# KiCad board k410t-devboard.kicad_pcb (continued)
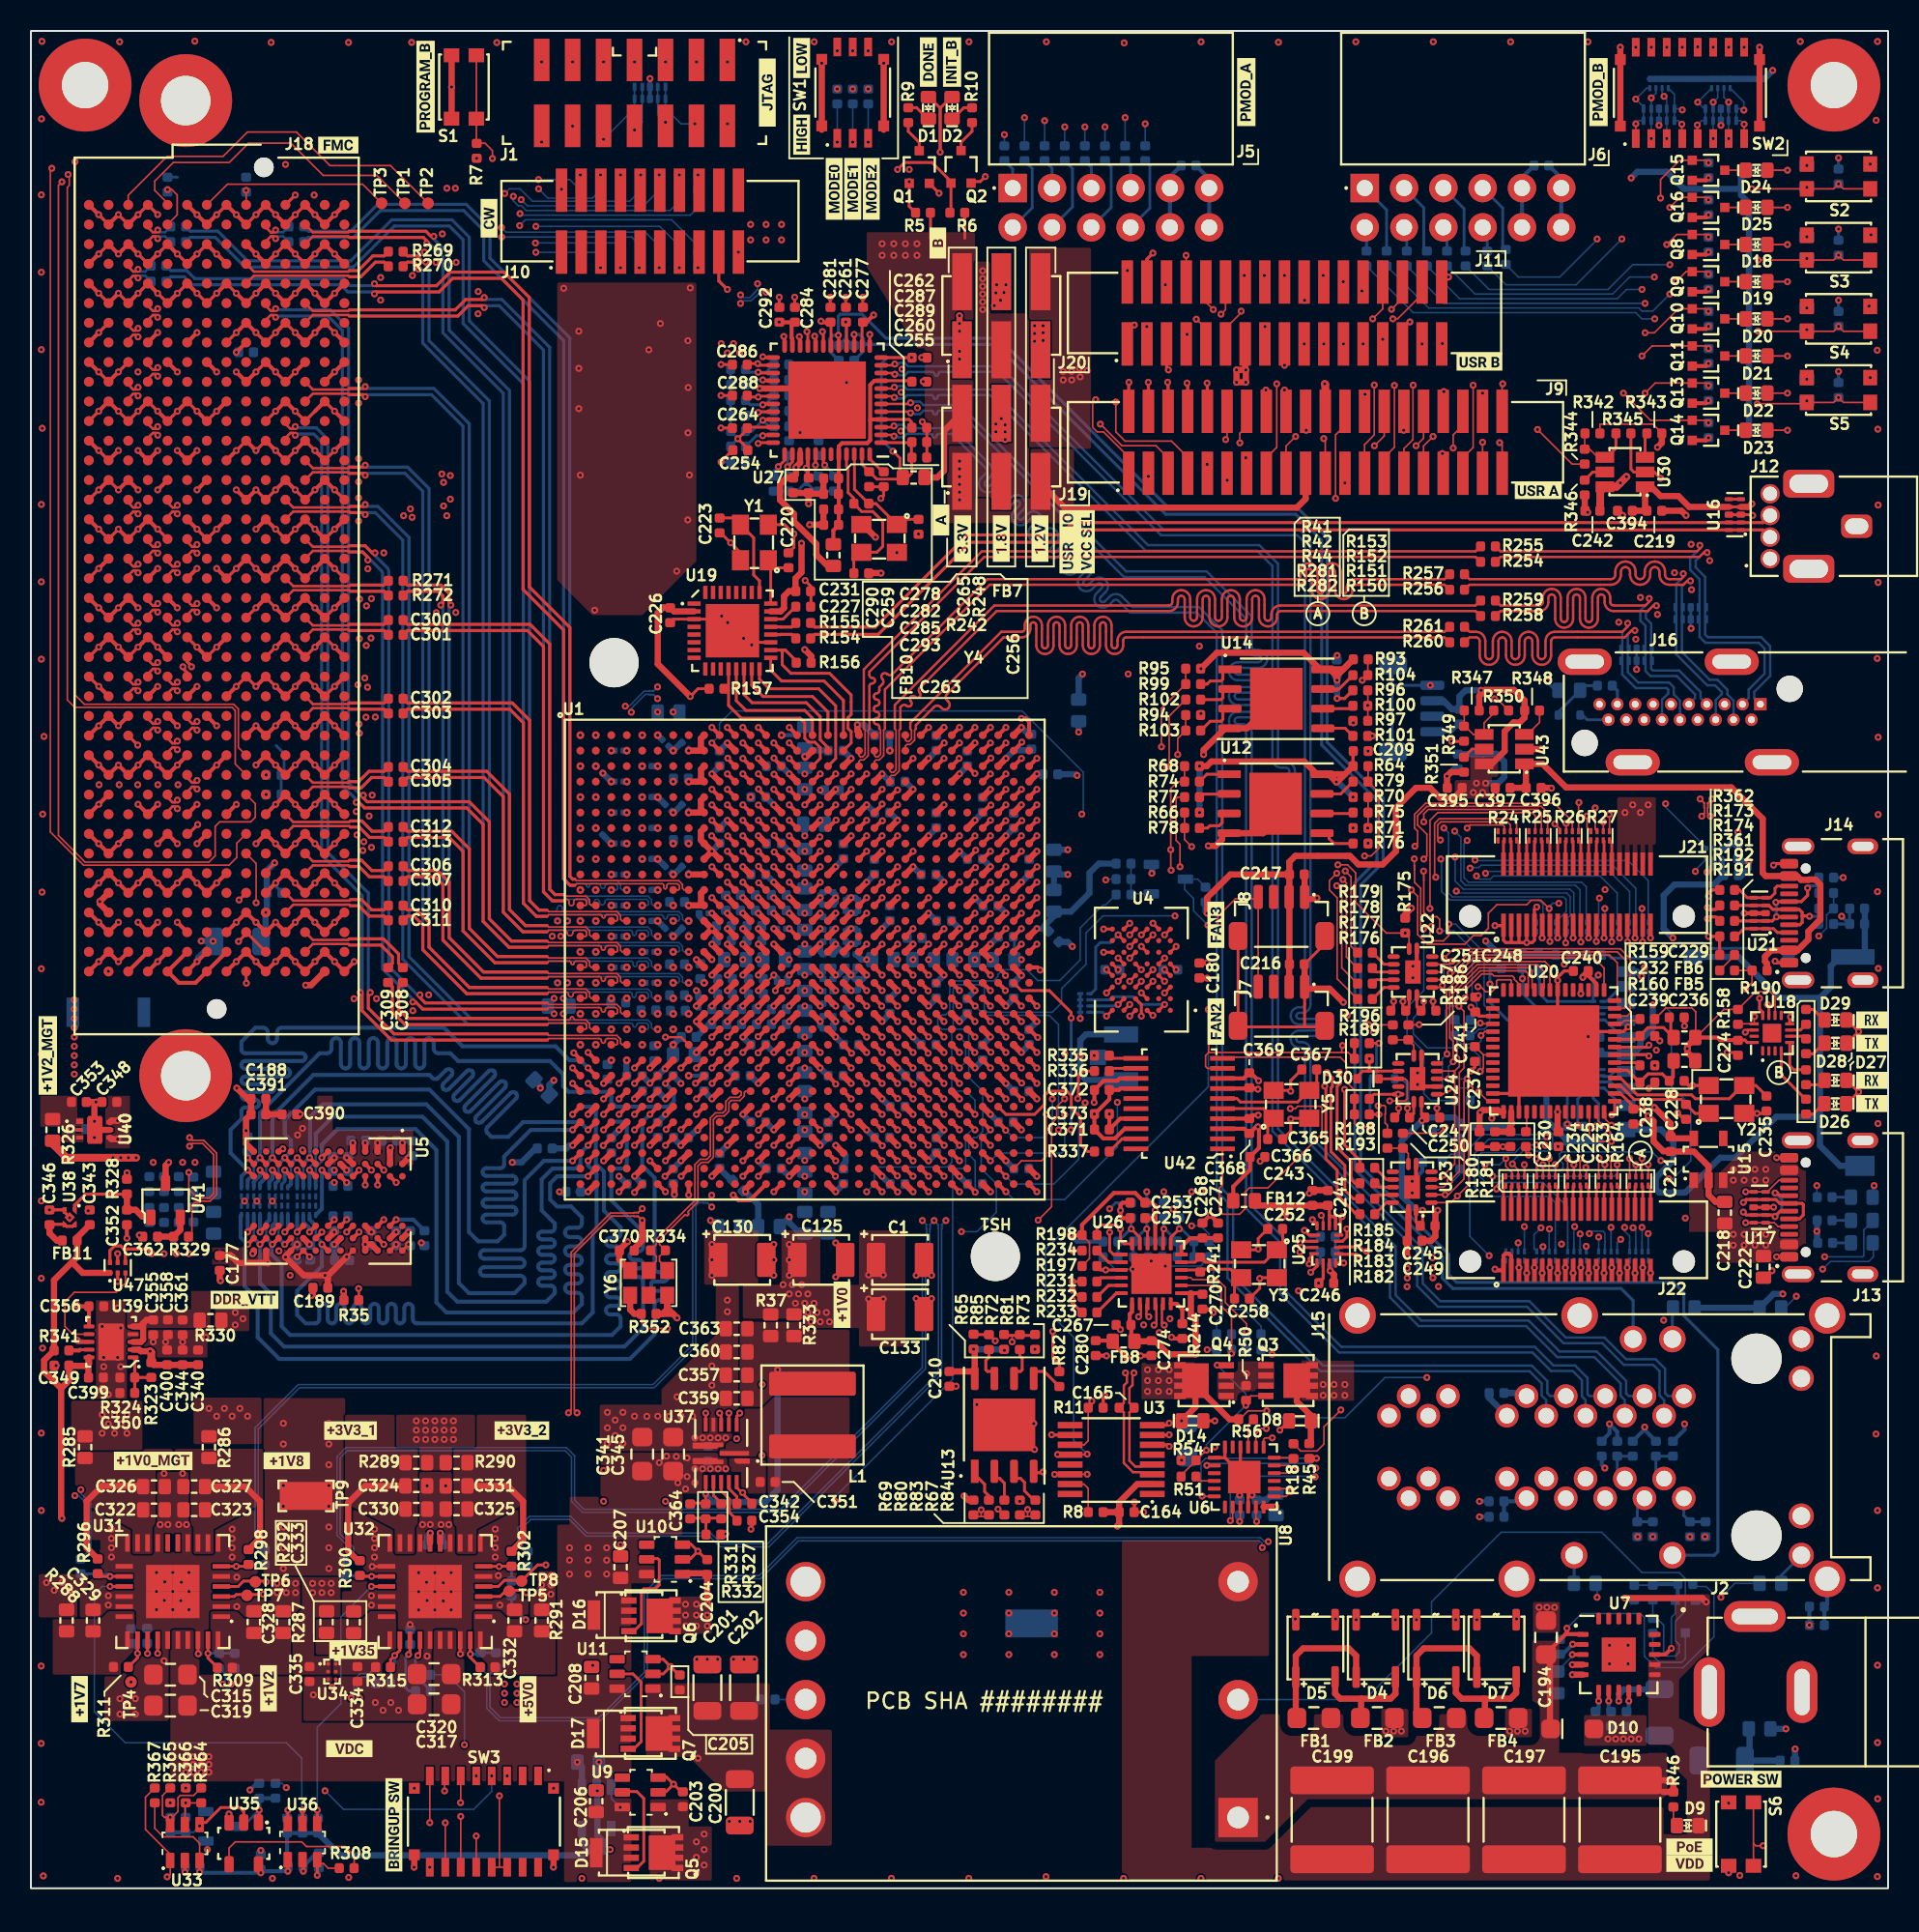
[diagram p0: board, top side]
## Routing (per net, layer and track width the routed paths; a pad name or vN(x,y) marks a point on that pad's centre or on a via; arc(x,y) is an arc through that point) (continued)
  In5.Cu w0.114: v1(21.67,80.29) 21.43,80.29 21.15,80.02 21.15,79.8 23.48,77.47 23.48,69.47 23.81,69.14 24.16,69.14 arc(24.49,69.01) 24.63,68.67 24.63,68 arc(24.68,67.87) 24.81,67.82 arc(24.93,67.87) 24.99,68 24.99,68.67 arc(25.13,69.01) 25.46,69.14 arc(25.79,69.01) 25.93,68.67 25.93,68 arc(25.98,67.87) 26.11,67.82 arc(26.23,67.87) 26.29,68 26.29,68.67 arc(26.43,69.01) 26.76,69.14 arc(27.09,69.01) 27.23,68.67 27.23,68 arc(27.28,67.87) 27.41,67.82 arc(27.53,67.87) 27.59,68 27.59,68.67 arc(27.73,69.01) 28.06,69.14 arc(28.39,69.01) 28.53,68.67 28.53,68 arc(28.58,67.87) 28.71,67.82 arc(28.83,67.87) 28.89,68 28.89,68.67 arc(29.03,69.01) 29.36,69.14 arc(29.69,69.01) 29.83,68.67 29.83,68 arc(29.88,67.87) 30.01,67.82 arc(30.13,67.87) 30.19,68 30.19,68.67 arc(30.33,69.01) 30.66,69.14 arc(30.99,69.01) 31.13,68.67 31.13,68 arc(31.18,67.87) 31.31,67.82 arc(31.43,67.87) 31.49,68 31.49,68.67 arc(31.63,69.01) 31.96,69.14 arc(32.29,69.01) 32.43,68.67 32.43,68 arc(32.48,67.87) 32.61,67.82 arc(32.73,67.87) 32.79,68 32.79,68.67 arc(32.93,69.01) 33.26,69.14 33.41,69.14
/FMC+ HSPC/FMC.IO11_P: length 69.8
  Top w0.16: v1(6.92,81.74) 6.78,81.59 6.61,81.59 6.29,81.91 J18.K22
  Top w0.256: U1.H14 48.03,67.97 v1(48.03,68.03)
  In3.Cu w0.114: v1(6.92,81.74) 7.05,81.6 8.28,81.6 9.27,80.61 9.79,80.61 10.15,80.97 19.9,80.97 20.63,80.24 20.97,80.24 21.22,80.5 v1(21.22,80.74)
  In5.Cu w0.1: 48,68 47.6,68.4 43.61,68.4 43.11,68.9 33.45,68.9 33.41,68.86
  In5.Cu w0.114: 33.41,68.86 33.26,68.86 arc(33.13,68.8) 33.08,68.67 33.08,68 arc(32.94,67.67) 32.61,67.53 arc(32.28,67.67) 32.14,68 32.14,68.67 arc(32.08,68.8) 31.96,68.86 arc(31.83,68.8) 31.78,68.67 31.78,68 arc(31.64,67.67) 31.31,67.53 arc(30.98,67.67) 30.84,68 30.84,68.67 arc(30.78,68.8) 30.66,68.86 arc(30.53,68.8) 30.48,68.67 30.48,68 arc(30.34,67.67) 30.01,67.53 arc(29.68,67.67) 29.54,68 29.54,68.67 arc(29.48,68.8) 29.36,68.86 arc(29.23,68.8) 29.18,68.67 29.18,68 arc(29.04,67.67) 28.71,67.53 arc(28.38,67.67) 28.24,68 28.24,68.67 arc(28.18,68.8) 28.06,68.86 arc(27.93,68.8) 27.88,68.67 27.88,68 arc(27.74,67.67) 27.41,67.53 arc(27.08,67.67) 26.94,68 26.94,68.67 arc(26.88,68.8) 26.76,68.86 arc(26.63,68.8) 26.58,68.67 26.58,68 arc(26.44,67.67) 26.11,67.53 arc(25.78,67.67) 25.64,68 25.64,68.67 arc(25.58,68.8) 25.46,68.86 arc(25.33,68.8) 25.28,68.67 25.28,68 arc(25.14,67.67) 24.81,67.53 arc(24.48,67.67) 24.34,68 24.34,68.67 arc(24.28,68.8) 24.16,68.86 23.69,68.86 23.2,69.35 23.2,77.35 20.87,79.68 20.87,80.14 21.22,80.5 v1(21.22,80.74)
/FMC+ HSPC/FMC.IO12_N: length 69.6
  Top w0.16: v1(8.19,82.45) 8.05,82.6 7.88,82.6 7.56,82.28 7.56,82.09
  Top w0.256: v1(47,69.99) 47.01,69.99 U1.F13
  In3.Cu w0.114: v1(21.68,82.85) 21.44,82.85 20.54,81.96 13.51,81.96 11.91,83.56 10.23,83.56 arc(10.15,83.53) 10.12,83.45 10.12,83.42 arc(10.09,83.35) 10.01,83.31 arc(9.94,83.35) 9.91,83.42 9.91,83.45 arc(9.87,83.53) 9.8,83.56 9.66,83.56 8.69,82.59 8.32,82.59 v1(8.19,82.45)
  In5.Cu w0.1: 47,70 46.6,69.6 43.67,69.6 43.17,70.1 33.45,70.1 33.41,70.14
  In5.Cu w0.114: 33.41,70.14 24.75,70.14 24.42,70.48 24.42,70.98 arc(24.47,71.11) 24.6,71.16 25.53,71.16 arc(25.86,71.3) 25.99,71.63 arc(25.86,71.96) 25.53,72.1 24.6,72.1 arc(24.47,72.15) 24.42,72.28 arc(24.47,72.41) 24.6,72.46 25.53,72.46 arc(25.86,72.6) 25.99,72.93 arc(25.86,73.26) 25.53,73.4 24.6,73.4 arc(24.47,73.45) 24.42,73.58 arc(24.47,73.71) 24.6,73.76 25.53,73.76 arc(25.86,73.9) 25.99,74.23 arc(25.86,74.56) 25.53,74.7 24.6,74.7 arc(24.47,74.75) 24.42,74.88 arc(24.47,75.01) 24.6,75.06 25.53,75.06 arc(25.86,75.2) 25.99,75.53 arc(25.86,75.86) 25.53,76 24.6,76 arc(24.47,76.05) 24.42,76.18 arc(24.47,76.31) 24.6,76.36 25.53,76.36 arc(25.86,76.5) 25.99,76.83 arc(25.86,77.16) 25.53,77.3 24.6,77.3 arc(24.47,77.35) 24.42,77.48 arc(24.47,77.61) 24.6,77.66 25.53,77.66 arc(25.86,77.8) 25.99,78.13 arc(25.86,78.46) 25.53,78.6 24.6,78.6 arc(24.47,78.65) 24.42,78.78 24.42,79.33 21.28,82.47 21.28,82.7 21.44,82.85 v1(21.68,82.85)
/FMC+ HSPC/FMC.IO12_P: length 69.8
  Top w0.16: v1(8.19,83.01) 8.05,82.86 7.88,82.86 7.56,83.18 7.56,83.36
  Top w0.256: U1.G13 v1(47,69)
  In3.Cu w0.114: v1(8.19,83.01) 8.32,82.87 8.57,82.87 9.54,83.84 12.02,83.84 13.62,82.24 20.43,82.24 21.24,83.06 v1(21.24,83.3)
  In5.Cu w0.1: 33.41,69.86 33.45,69.9 43.08,69.9 43.58,69.4 46.6,69.4 v1(47,69)
  In5.Cu w0.114: 33.41,69.86 24.64,69.86 24.13,70.36 24.13,70.98 arc(24.27,71.31) 24.6,71.45 25.53,71.45 arc(25.65,71.5) 25.71,71.63 arc(25.65,71.76) 25.53,71.81 24.6,71.81 arc(24.27,71.95) 24.13,72.28 arc(24.27,72.61) 24.6,72.75 25.53,72.75 arc(25.65,72.8) 25.71,72.93 arc(25.65,73.06) 25.53,73.11 24.6,73.11 arc(24.27,73.25) 24.13,73.58 arc(24.27,73.91) 24.6,74.05 25.53,74.05 arc(25.65,74.1) 25.71,74.23 arc(25.65,74.36) 25.53,74.41 24.6,74.41 arc(24.27,74.55) 24.13,74.88 arc(24.27,75.21) 24.6,75.35 25.53,75.35 arc(25.65,75.4) 25.71,75.53 arc(25.65,75.66) 25.53,75.71 24.6,75.71 arc(24.27,75.85) 24.13,76.18 arc(24.27,76.51) 24.6,76.65 25.53,76.65 arc(25.65,76.7) 25.71,76.83 arc(25.65,76.96) 25.53,77.01 24.6,77.01 arc(24.27,77.15) 24.13,77.48 arc(24.27,77.81) 24.6,77.95 25.53,77.95 arc(25.65,78) 25.71,78.13 arc(25.65,78.26) 25.53,78.31 24.6,78.31 arc(24.27,78.45) 24.13,78.78 24.13,79.22 21,82.35 21,82.81 21.24,83.06 v1(21.24,83.3)
/FMC+ HSPC/FMC.IO13_N: length 95.6
  Top w0.16: v1(6.92,84.99) 6.78,85.14 6.61,85.14 6.29,84.82 6.29,84.63
  Top w0.256: U1.D13 v1(47,72)
  In7.Cu w0.1: v1(47,72) 46.6,72.4 46.6,73.25 46.25,73.6 45.81,73.6 45.6,73.81 45.6,76.55 45.64,76.59
  In7.Cu w0.114: 45.64,76.59 45.64,77.33 24.23,98.74 20.25,98.74 arc(20.14,98.79) 20.09,98.9 20.09,99.04 arc(19.96,99.36) 19.65,99.49 19.6,99.49 arc(19.29,99.36) 19.16,99.04 19.16,98.9 arc(19.11,98.79) 19,98.74 18.95,98.74 arc(18.84,98.79) 18.79,98.9 18.79,99.04 arc(18.66,99.36) 18.35,99.49 18.3,99.49 arc(17.99,99.36) 17.86,99.04 17.86,98.9 arc(17.81,98.79) 17.7,98.74 17.65,98.74 arc(17.54,98.79) 17.49,98.9 17.49,99.04 arc(17.36,99.36) 17.05,99.49 17,99.49 arc(16.69,99.36) 16.56,99.04 16.56,98.9 arc(16.51,98.79) 16.4,98.74 16.35,98.74 arc(16.24,98.79) 16.19,98.9 16.19,99.04 arc(16.06,99.36) 15.75,99.49 15.7,99.49 arc(15.39,99.36) 15.26,99.04 15.26,98.9 arc(15.21,98.79) 15.1,98.74 15.05,98.74 arc(14.94,98.79) 14.89,98.9 14.89,99.04 arc(14.76,99.36) 14.45,99.49 14.4,99.49 arc(14.09,99.36) 13.96,99.04 13.96,98.9 arc(13.91,98.79) 13.8,98.74 8.81,98.74 8.48,99.07 5.47,99.07 4.87,98.47 4.87,97.64 arc(5.02,97.27) 5.39,97.12 5.78,97.12 arc(5.95,97.05) 6.02,96.89 arc(5.95,96.72) 5.78,96.65 5.39,96.65 arc(5.02,96.5) 4.87,96.14 4.87,95.08 arc(5.05,94.66) 5.47,94.48 7.06,94.48 arc(7.28,94.39) 7.37,94.18 arc(7.28,93.96) 7.06,93.87 5.47,93.87 arc(5.05,93.7) 4.87,93.28 4.87,92.36 arc(5.02,92.02) 5.37,91.87 10.08,91.87 arc(10.22,91.81) 10.28,91.66 arc(10.22,91.52) 10.08,91.46 5.37,91.46 arc(5.02,91.31) 4.87,90.96 4.87,89.78 arc(5.02,89.43) 5.37,89.29 5.81,89.29 arc(5.95,89.23) 6.02,89.08 arc(5.95,88.93) 5.81,88.87 5.37,88.87 arc(5.02,88.73) 4.87,88.38 4.87,85.9 5.65,85.13 6.79,85.13 v1(6.92,84.99)
/FMC+ HSPC/FMC.IO13_P: length 95.6
  Top w0.16: v1(6.92,85.55) 6.78,85.4 6.61,85.4 6.29,85.72 J18.K19
  Top w0.256: U1.D12 v1(46,72)
  In7.Cu w0.1: v1(46,72) 46.4,72.4 46.4,73.17 46.17,73.4 45.73,73.4 45.4,73.73 45.4,76.55 45.36,76.59
  In7.Cu w0.114: v1(6.92,85.55) 6.79,85.41 5.76,85.41 5.16,86.02 5.16,86.3 arc(5.25,86.51) 5.46,86.6 5.86,86.6 arc(6.07,86.69) 6.16,86.9 arc(6.07,87.11) 5.86,87.2 5.46,87.2 arc(5.25,87.29) 5.16,87.5 5.16,88.38 arc(5.22,88.53) 5.37,88.59 5.81,88.59 arc(6.16,88.73) 6.3,89.08 arc(6.16,89.43) 5.81,89.57 5.37,89.57 arc(5.22,89.63) 5.16,89.78 5.16,90.96 arc(5.22,91.11) 5.37,91.17 10.08,91.17 arc(10.43,91.32) 10.57,91.66 arc(10.43,92.01) 10.08,92.16 5.37,92.16 arc(5.22,92.22) 5.16,92.36 5.16,93.28 arc(5.25,93.49) 5.47,93.58 7.06,93.58 arc(7.48,93.76) 7.65,94.18 arc(7.48,94.6) 7.06,94.77 5.47,94.77 arc(5.25,94.86) 5.16,95.08 5.16,96.14 arc(5.23,96.3) 5.39,96.37 5.78,96.37 arc(6.15,96.52) 6.3,96.89 arc(6.15,97.25) 5.78,97.4 5.39,97.4 arc(5.23,97.47) 5.16,97.64 5.16,98.36 5.59,98.79 8.36,98.79 8.69,98.46 13.8,98.46 arc(14.11,98.59) 14.24,98.9 14.24,99.04 arc(14.29,99.15) 14.4,99.2 14.45,99.2 arc(14.56,99.15) 14.61,99.04 14.61,98.9 arc(14.74,98.59) 15.05,98.46 15.1,98.46 arc(15.41,98.59) 15.54,98.9 15.54,99.04 arc(15.59,99.15) 15.7,99.2 15.75,99.2 arc(15.86,99.15) 15.91,99.04 15.91,98.9 arc(16.04,98.59) 16.35,98.46 16.4,98.46 arc(16.71,98.59) 16.84,98.9 16.84,99.04 arc(16.89,99.15) 17,99.2 17.05,99.2 arc(17.16,99.15) 17.21,99.04 17.21,98.9 arc(17.34,98.59) 17.65,98.46 17.7,98.46 arc(18.01,98.59) 18.14,98.9 18.14,99.04 arc(18.19,99.15) 18.3,99.2 18.35,99.2 arc(18.46,99.15) 18.51,99.04 18.51,98.9 arc(18.64,98.59) 18.95,98.46 19,98.46 arc(19.31,98.59) 19.44,98.9 19.44,99.04 arc(19.49,99.15) 19.6,99.2 19.65,99.2 arc(19.76,99.15) 19.81,99.04 19.81,98.9 arc(19.94,98.59) 20.25,98.46 24.11,98.46 45.36,77.21 45.36,76.59
/FMC+ HSPC/FMC.IO14_N: length 66.5
  Top w0.16: 7.56,78.28 7.56,78.47 7.88,78.79 8.05,78.79 v1(8.19,78.64)
  Top w0.256: v1(47.01,71.02) 47.01,70.99 U1.E13
  In3.Cu w0.114: v1(8.19,78.64) 8.32,78.78 8.91,78.78 9.54,79.41 19.72,79.41 21.13,77.99 v1(21.13,77.75)
  In5.Cu w0.1: 47,71 46.14,71 45.54,71.6 43.53,71.6 43.03,71.1 33.45,71.1 33.41,71.14
  In5.Cu w0.114: 33.41,71.14 27.76,71.14 26.84,72.06 26.84,73.24 arc(26.9,73.39) 27.05,73.45 27.47,73.45 arc(27.82,73.59) 27.96,73.94 arc(27.82,74.29) 27.47,74.44 27.05,74.44 arc(26.9,74.5) 26.84,74.64 arc(26.9,74.79) 27.05,74.85 27.47,74.85 arc(27.82,74.99) 27.96,75.34 arc(27.82,75.69) 27.47,75.84 27.05,75.84 arc(26.9,75.9) 26.84,76.04 arc(26.9,76.19) 27.05,76.25 27.47,76.25 arc(27.82,76.39) 27.96,76.74 arc(27.82,77.09) 27.47,77.24 27.05,77.24 arc(26.9,77.3) 26.84,77.44 arc(26.9,77.59) 27.05,77.65 27.47,77.65 arc(27.82,77.79) 27.96,78.14 arc(27.82,78.49) 27.47,78.64 27.05,78.64 arc(26.9,78.7) 26.84,78.84 26.84,80.46 23.21,84.09 20.62,84.09 20.06,83.53 20.06,79.07 21.13,77.99 v1(21.13,77.75)
/FMC+ HSPC/FMC.IO14_P: length 65.9
  Top w0.16: v1(8.19,79.2) 8.05,79.05 7.88,79.05 7.56,79.37 7.56,79.55
  Top w0.256: U1.F12 v1(46,70)
  In3.Cu w0.114: v1(21.57,78.2) 21.33,78.2 19.83,79.69 9.42,79.69 8.79,79.06 8.32,79.06 v1(8.19,79.2)
  In5.Cu w0.1: 33.41,70.86 33.45,70.9 43.12,70.9 43.62,71.4 45.46,71.4 46,70.86 v1(46,70)
  In5.Cu w0.114: 33.41,70.86 27.64,70.86 26.56,71.94 26.56,73.24 arc(26.7,73.59) 27.05,73.74 27.47,73.74 arc(27.62,73.8) 27.68,73.94 arc(27.62,74.09) 27.47,74.15 27.05,74.15 arc(26.7,74.29) 26.56,74.64 arc(26.7,74.99) 27.05,75.14 27.47,75.14 arc(27.62,75.2) 27.68,75.34 arc(27.62,75.49) 27.47,75.55 27.05,75.55 arc(26.7,75.69) 26.56,76.04 arc(26.7,76.39) 27.05,76.54 27.47,76.54 arc(27.62,76.6) 27.68,76.74 arc(27.62,76.89) 27.47,76.95 27.05,76.95 arc(26.7,77.09) 26.56,77.44 arc(26.7,77.79) 27.05,77.94 27.47,77.94 arc(27.62,78) 27.68,78.14 arc(27.62,78.29) 27.47,78.35 27.05,78.35 arc(26.7,78.49) 26.56,78.84 26.56,80.34 23.09,83.81 20.73,83.81 20.34,83.42 20.34,79.18 21.33,78.2 v1(21.57,78.2)
/FMC+ HSPC/FMC.IO15_N: length 63.5
  Top w0.16: 7.56,101.14 7.56,101.33 7.88,101.65 8.05,101.65 v1(8.19,101.5)
  Top w0.256: U1.B12 v1(46,74)
  In3.Cu w0.114: v1(8.19,101.5) 8.06,101.64 7.84,101.64 7.68,101.48 7.68,100.42 8.09,100.01 8.46,100.01 arc(8.67,100.1) 8.76,100.31 8.76,100.52 arc(8.85,100.74) 9.06,100.82 arc(9.27,100.74) 9.36,100.52 9.36,100.31 arc(9.45,100.1) 9.66,100.01 21.54,100.01 24.67,96.88 24.67,91.94 26.86,89.75 v1(27.1,89.75)
  In5.Cu w0.1: v1(46,74) 45.6,73.6 43.74,73.6 43.5,73.84 43.5,76.55 43.54,76.59
  In5.Cu w0.114: v1(27.1,89.75) 27.1,89.51 27.34,89.27 31.83,89.27 32.4,88.7 arc(32.55,88.35) 32.4,88 32.2,87.81 arc(32.14,87.66) 32.2,87.51 arc(32.35,87.45) 32.5,87.51 32.69,87.71 arc(33.04,87.86) 33.39,87.71 arc(33.54,87.36) 33.39,87.01 33.19,86.82 arc(33.13,86.67) 33.19,86.52 arc(33.34,86.46) 33.49,86.52 33.68,86.72 arc(34.03,86.87) 34.38,86.72 arc(34.53,86.37) 34.38,86.02 34.18,85.83 arc(34.12,85.68) 34.18,85.53 arc(34.33,85.47) 34.48,85.53 34.67,85.73 arc(35.02,85.88) 35.37,85.73 43.54,77.56 43.54,76.59
/FMC+ HSPC/FMC.IO15_P: length 63.2
  Top w0.16: 7.56,102.41 7.56,102.23 7.88,101.91 8.05,101.91 v1(8.19,102.06)
  Top w0.256: U1.C12 v1(46,73)
  In3.Cu w0.114: v1(8.19,102.06) 8.06,101.92 7.72,101.92 7.4,101.6 7.4,100.3 7.97,99.73 21.42,99.73 24.38,96.77 24.38,91.83 26.66,89.55 v1(26.66,89.31)
  In5.Cu w0.1: 43.26,76.59 43.3,76.55 43.3,73.76 43.66,73.4 45.6,73.4 v1(46,73)
  In5.Cu w0.114: v1(26.66,89.31) 26.9,89.31 27.23,88.98 31.72,88.98 32.2,88.5 arc(32.26,88.35) 32.2,88.21 32,88.01 arc(31.86,87.66) 32,87.31 arc(32.35,87.17) 32.7,87.31 32.9,87.51 arc(33.04,87.57) 33.19,87.51 arc(33.25,87.36) 33.19,87.22 32.99,87.02 arc(32.85,86.67) 32.99,86.32 arc(33.34,86.18) 33.69,86.32 33.89,86.52 arc(34.03,86.58) 34.18,86.52 arc(34.24,86.37) 34.18,86.23 33.98,86.03 arc(33.84,85.68) 33.98,85.33 arc(34.33,85.19) 34.68,85.33 34.88,85.53 arc(35.02,85.59) 35.17,85.53 43.26,77.44 43.26,76.59
/FMC+ HSPC/FMC.IO16_N: length 65.8
  Top w0.16: J18.K08 6.29,100.06 6.61,100.38 6.78,100.38 v1(6.92,100.23)
  Top w0.256: U1.E11 v1(45,71)
  In7.Cu w0.1: v1(45,71) 45.4,70.6 45.61,70.6 46.61,71.6 47.19,71.6 47.4,71.81 47.4,74.16 47.16,74.4 46.75,74.4 46.4,74.75 46.4,76.55 46.36,76.59
  In7.Cu w0.114: v1(6.92,100.23) 7.05,100.37 7.34,100.37 7.98,99.73 9.2,99.73 arc(9.36,99.66) 9.43,99.5 9.43,99.4 arc(9.49,99.24) 9.65,99.17 arc(9.81,99.24) 9.88,99.4 9.88,99.5 arc(9.94,99.66) 10.1,99.73 arc(10.26,99.66) 10.33,99.5 10.33,99.4 arc(10.39,99.24) 10.55,99.17 arc(10.71,99.24) 10.78,99.4 10.78,99.5 arc(10.84,99.66) 11,99.73 20.44,99.73 arc(20.77,99.86) 20.91,100.19 20.91,100.61 arc(20.96,100.73) 21.09,100.79 arc(21.21,100.73) 21.27,100.61 21.27,99.47 arc(21.39,99.18) 21.67,99.07 21.8,99.07 arc(22.09,99.18) 22.21,99.47 22.21,100.61 arc(22.26,100.73) 22.39,100.79 arc(22.51,100.73) 22.57,100.61 22.57,100.19 arc(22.71,99.86) 23.04,99.73 23.77,99.73 46.36,77.14 46.36,76.59
/FMC+ HSPC/FMC.IO16_P: length 65.2
  Top w0.16: J18.K07 6.29,100.96 6.61,100.64 6.78,100.64 v1(6.92,100.79)
  Top w0.256: U1.F11 v1(45,70)
  In7.Cu w0.1: v1(45,70) 45.4,70.4 45.69,70.4 46.69,71.4 47.27,71.4 47.6,71.73 47.6,74.25 47.25,74.6 46.84,74.6 46.6,74.84 46.6,76.55 46.64,76.59
  In7.Cu w0.114: 46.64,76.59 46.64,77.26 23.89,100.01 23.04,100.01 arc(22.91,100.07) 22.86,100.19 22.86,100.61 arc(22.72,100.94) 22.39,101.07 arc(22.06,100.94) 21.92,100.61 21.92,99.47 arc(21.88,99.39) 21.8,99.35 21.67,99.35 arc(21.59,99.39) 21.56,99.47 21.56,100.61 arc(21.42,100.94) 21.09,101.07 arc(20.76,100.94) 20.62,100.61 20.62,100.19 arc(20.56,100.07) 20.44,100.01 8.1,100.01 7.46,100.65 7.05,100.65 v1(6.92,100.79)
/FMC+ HSPC/FMC.IO17_N: length 63.3
  Top w0.16: v1(6.92,88.8) 6.78,88.95 6.61,88.95 6.29,88.63 J18.K17
  Top w0.256: U1.A12 v1(46,75)
  In3.Cu w0.114: v1(6.92,88.8) 7.05,88.94 7.88,88.94 8.03,89.09 arc(8.11,89.12) 8.18,89.09 8.21,89.06 arc(8.29,89.03) 8.36,89.06 arc(8.39,89.14) 8.36,89.22 8.34,89.24 arc(8.3,89.32) 8.34,89.39 8.93,89.99 9.63,89.99 10.05,89.57 18.93,89.57 20.94,87.56 21.76,87.56 23.36,89.16 23.84,89.16 24.08,88.92 v1(24.08,88.68)
  In5.Cu w0.1: v1(46,75) 45.6,75.4 45.6,76.55 45.64,76.59
  In5.Cu w0.114: v1(24.08,88.68) 24.08,88.92 23.76,89.24 23.76,90.36 24.1,90.7 arc(24.52,90.88) 24.94,90.7 25.31,90.33 arc(25.52,90.24) 25.74,90.33 arc(25.83,90.55) 25.74,90.77 25.37,91.13 arc(25.2,91.55) 25.37,91.97 25.74,92.34 27.46,92.34 arc(27.79,92.21) 27.93,91.87 27.93,91.33 arc(27.98,91.2) 28.11,91.15 arc(28.23,91.2) 28.29,91.33 28.29,91.87 arc(28.43,92.21) 28.76,92.34 arc(29.09,92.21) 29.23,91.87 29.23,91.33 arc(29.28,91.2) 29.41,91.15 arc(29.53,91.2) 29.59,91.33 29.59,91.87 arc(29.73,92.21) 30.06,92.34 arc(30.39,92.21) 30.53,91.87 30.53,91.33 arc(30.58,91.2) 30.71,91.15 arc(30.83,91.2) 30.89,91.33 30.89,91.87 arc(31.03,92.21) 31.36,92.34 32.03,92.34 45.64,78.73 45.64,76.59
/FMC+ HSPC/FMC.IO17_P: length 62.1
  Top w0.16: J18.K16 6.29,89.53 6.61,89.21 6.78,89.21 v1(6.92,89.36)
  Top w0.256: U1.A11 v1(45,75)
  In3.Cu w0.114: v1(6.92,89.36) 7.05,89.22 7.76,89.22 8.81,90.27 9.75,90.27 10.17,89.85 19.05,89.85 21.06,87.84 21.64,87.84 23.24,89.44 23.96,89.44 24.28,89.12 v1(24.52,89.12)
  In5.Cu w0.1: v1(45,75) 45.4,75.4 45.4,76.55 45.36,76.59
  In5.Cu w0.114: 45.36,76.59 45.36,78.62 31.92,92.06 31.36,92.06 arc(31.23,92) 31.18,91.87 31.18,91.33 arc(31.04,91) 30.71,90.86 arc(30.38,91) 30.24,91.33 30.24,91.87 arc(30.18,92) 30.06,92.06 arc(29.93,92) 29.88,91.87 29.88,91.33 arc(29.74,91) 29.41,90.86 arc(29.08,91) 28.94,91.33 28.94,91.87 arc(28.88,92) 28.76,92.06 arc(28.63,92) 28.58,91.87 28.58,91.33 arc(28.44,91) 28.11,90.86 arc(27.78,91) 27.64,91.33 27.64,91.87 arc(27.58,92) 27.46,92.06 25.86,92.06 25.57,91.77 arc(25.48,91.55) 25.57,91.34 25.94,90.97 arc(26.12,90.55) 25.94,90.13 arc(25.52,89.96) 25.1,90.13 24.73,90.5 arc(24.52,90.59) 24.3,90.5 24.04,90.24 24.04,89.36 24.28,89.12 v1(24.52,89.12)
/FMC+ HSPC/FMC.IO18_N: length 64.3
  Top w0.16: v1(8.19,97.69) 8.05,97.84 7.88,97.84 7.56,97.52 7.56,97.33
  Top w0.256: v1(45.03,73.02) 45.03,72.97 U1.C11
  In7.Cu w0.1: 43.64,76.59 43.6,76.55 43.6,72.84 43.84,72.6 44.6,72.6 45,73
  In7.Cu w0.114: v1(8.19,97.69) 8.06,97.83 7.86,97.83 7.74,97.71 7.74,97.33 7.95,97.12 8.7,97.12 9.06,97.48 9.76,97.48 arc(9.97,97.57) 10.06,97.78 10.06,97.81 arc(10.15,98.03) 10.36,98.11 arc(10.57,98.03) 10.66,97.81 10.66,97.78 arc(10.75,97.57) 10.96,97.48 19.77,97.48 20.45,98.16 23.37,98.16 24.14,97.39 arc(24.28,97.06) 24.14,96.73 23.85,96.44 arc(23.8,96.31) 23.85,96.19 arc(23.98,96.13) 24.11,96.19 24.4,96.47 arc(24.73,96.61) 25.06,96.47 arc(25.2,96.14) 25.06,95.81 24.77,95.52 arc(24.72,95.39) 24.77,95.27 arc(24.9,95.21) 25.03,95.27 25.32,95.56 arc(25.65,95.69) 25.98,95.56 arc(26.12,95.22) 25.98,94.89 25.69,94.6 arc(25.64,94.48) 25.69,94.35 arc(25.82,94.29) 25.95,94.35 26.24,94.64 arc(26.57,94.77) 26.9,94.64 arc(27.04,94.3) 26.9,93.97 26.61,93.68 arc(26.56,93.56) 26.61,93.43 arc(26.74,93.37) 26.87,93.43 27.16,93.72 arc(27.49,93.85) 27.82,93.72 arc(27.96,93.39) 27.82,93.05 27.53,92.77 arc(27.48,92.64) 27.53,92.51 arc(27.66,92.46) 27.79,92.51 28.08,92.8 arc(28.41,92.94) 28.74,92.8 arc(28.88,92.47) 28.74,92.14 28.45,91.85 arc(28.4,91.72) 28.45,91.59 arc(28.58,91.54) 28.71,91.59 29,91.88 arc(29.33,92.02) 29.66,91.88 43.64,77.89 43.64,76.59
/FMC+ HSPC/FMC.IO18_P: length 64.4
  Top w0.16: 7.56,98.6 7.56,98.42 7.88,98.1 8.05,98.1 v1(8.19,98.25)
  Top w0.256: U1.D11 v1(45,72)
  In7.Cu w0.1: v1(45,72) 44.6,72.4 43.76,72.4 43.4,72.76 43.4,76.55 43.36,76.59
  In7.Cu w0.114: v1(8.19,98.25) 8.06,98.11 7.74,98.11 7.46,97.83 7.46,97.21 7.83,96.84 8.82,96.84 9.18,97.2 19.89,97.2 20.57,97.88 23.26,97.88 23.94,97.19 arc(23.99,97.06) 23.94,96.93 23.65,96.64 arc(23.51,96.31) 23.65,95.98 arc(23.98,95.85) 24.31,95.98 24.6,96.27 arc(24.73,96.32) 24.86,96.27 arc(24.91,96.14) 24.86,96.02 24.57,95.73 arc(24.43,95.39) 24.57,95.06 arc(24.9,94.93) 25.23,95.06 25.52,95.35 arc(25.65,95.41) 25.78,95.35 arc(25.83,95.22) 25.78,95.1 25.49,94.81 arc(25.35,94.48) 25.49,94.14 arc(25.82,94.01) 26.15,94.14 26.44,94.43 arc(26.57,94.49) 26.7,94.43 arc(26.75,94.3) 26.7,94.18 26.41,93.89 arc(26.27,93.56) 26.41,93.22 arc(26.74,93.09) 27.07,93.22 27.36,93.51 arc(27.49,93.57) 27.62,93.51 arc(27.67,93.39) 27.62,93.26 27.33,92.97 arc(27.19,92.64) 27.33,92.31 arc(27.66,92.17) 27.99,92.31 28.28,92.59 arc(28.41,92.65) 28.54,92.59 arc(28.59,92.47) 28.54,92.34 28.25,92.05 arc(28.11,91.72) 28.25,91.39 arc(28.58,91.25) 28.91,91.39 29.2,91.68 arc(29.33,91.73) 29.46,91.68 43.36,77.78 43.36,76.59
/FMC+ HSPC/FMC.IO19_N: length 98.9
  Top w0.16: 8.83,80.82 8.83,81.01 9.15,81.33 9.32,81.33 v1(9.46,81.18)
  Top w0.256: U1.E16 v1(50,70)
  In5.Cu w0.1: v1(50,70) 49.6,70.4 49.6,71.23 49.77,71.4 54.16,71.4 54.4,71.16 54.4,59.82 54.18,59.6 43.53,59.6 43.03,59.1 33.46,59.1 33.41,59.14 27.79,59.14
  In5.Cu w0.114: 27.79,59.14 8.21,59.14 7.68,59.67 7.68,60.7 arc(7.55,61.03) 7.22,61.16 6.1,61.16 arc(5.97,61.22) 5.92,61.35 arc(5.97,61.47) 6.1,61.53 7.22,61.53 arc(7.55,61.67) 7.68,62 7.68,63.1 arc(7.55,63.43) 7.22,63.57 5.82,63.57 arc(5.69,63.63) 5.64,63.75 arc(5.69,63.88) 5.82,63.93 7.22,63.93 arc(7.55,64.07) 7.68,64.4 7.68,76.22 arc(7.72,76.31) 7.81,76.35 8.38,76.35 arc(8.47,76.39) 8.5,76.47 arc(8.47,76.56) 8.38,76.6 7.81,76.6 arc(7.72,76.64) 7.68,76.72 arc(7.72,76.81) 7.81,76.85 8.38,76.85 arc(8.47,76.89) 8.5,76.97 arc(8.47,77.06) 8.38,77.1 7.81,77.1 arc(7.72,77.14) 7.68,77.22 7.68,80.25 8.75,81.32 9.33,81.32 v1(9.46,81.18)
/FMC+ HSPC/FMC.IO19_P: length 98
  Top w0.16: 8.83,82.09 8.83,81.91 9.15,81.59 9.32,81.59 v1(9.46,81.74)
  Top w0.256: U1.F15 v1(49,70)
  In5.Cu w0.1: v1(49,70) 49.4,70.4 49.4,71.31 49.69,71.6 54.24,71.6 54.6,71.24 54.6,59.73 54.27,59.4 43.62,59.4 43.12,58.9 33.45,58.9 33.41,58.86 27.79,58.86
  In5.Cu w0.114: 27.79,58.86 8.09,58.86 7.4,59.55 7.4,60.7 arc(7.34,60.82) 7.22,60.88 6.1,60.88 arc(5.77,61.02) 5.63,61.35 arc(5.77,61.68) 6.1,61.81 7.22,61.81 arc(7.34,61.87) 7.4,62 7.4,63.1 arc(7.34,63.23) 7.22,63.28 5.82,63.28 arc(5.49,63.42) 5.35,63.75 arc(5.49,64.08) 5.82,64.22 7.22,64.22 arc(7.34,64.28) 7.4,64.4 7.4,80.37 8.63,81.6 9.33,81.6 v1(9.46,81.74)
/FMC+ HSPC/FMC.IO20_N: length 68
  Top w0.16: J18.K26 6.29,77.2 6.61,77.52 6.78,77.52 v1(6.92,77.37)
  Top w0.256: U1.E15 v1(49,71)
  In3.Cu w0.114: v1(21.51,67.62) 21.27,67.62 21,67.34 20.46,67.34 19.81,67.99 8.28,67.99 7.42,68.85 7.42,77.34 7.25,77.51 7.05,77.51 v1(6.92,77.37)
  In7.Cu w0.1: v1(49,71) 48.6,70.6 48.6,69.76 48.24,69.4 43.72,69.4 43.22,68.9 33.45,68.9 33.41,68.86
  In7.Cu w0.114: 33.41,68.86 33.16,68.86 arc(32.83,68.99) 32.69,69.32 32.69,69.75 arc(32.63,69.88) 32.51,69.94 arc(32.38,69.88) 32.33,69.75 32.33,69.32 arc(32.19,68.99) 31.86,68.86 arc(31.53,68.99) 31.39,69.32 31.39,69.75 arc(31.33,69.88) 31.21,69.94 arc(31.08,69.88) 31.03,69.75 31.03,69.32 arc(30.89,68.99) 30.56,68.86 arc(30.23,68.99) 30.09,69.32 30.09,69.75 arc(30.03,69.88) 29.91,69.94 arc(29.78,69.88) 29.73,69.75 29.73,69.32 arc(29.59,68.99) 29.26,68.86 arc(28.93,68.99) 28.79,69.32 28.79,69.75 arc(28.73,69.88) 28.61,69.94 arc(28.48,69.88) 28.43,69.75 28.43,69.32 arc(28.29,68.99) 27.96,68.86 arc(27.63,68.99) 27.49,69.32 27.49,69.75 arc(27.43,69.88) 27.31,69.94 arc(27.18,69.88) 27.13,69.75 27.13,69.32 arc(26.99,68.99) 26.66,68.86 arc(26.33,68.99) 26.19,69.32 26.19,69.75 arc(26.13,69.88) 26.01,69.94 arc(25.88,69.88) 25.83,69.75 25.83,69.32 arc(25.69,68.99) 25.36,68.86 arc(25.03,68.99) 24.89,69.32 24.89,69.75 arc(24.83,69.88) 24.71,69.94 arc(24.58,69.88) 24.53,69.75 24.53,69.32 arc(24.39,68.99) 24.06,68.86 arc(23.73,68.99) 23.59,69.32 23.59,69.75 arc(23.53,69.88) 23.41,69.94 arc(23.28,69.88) 23.23,69.75 23.23,69.32 arc(23.09,68.99) 22.76,68.86 22.51,68.86 21.51,67.85 v1(21.51,67.62)
/FMC+ HSPC/FMC.IO20_P: length 68
  Top w0.16: J18.K25 6.29,78.1 6.61,77.78 6.78,77.78 v1(6.92,77.93)
  Top w0.256: U1.E14 v1(48,71)
  In3.Cu w0.114: v1(6.92,77.93) 7.05,77.79 7.37,77.79 7.7,77.46 7.7,77.13 arc(7.73,77.06) 7.81,77.03 7.86,77.03 arc(7.94,77) 7.97,76.92 arc(7.94,76.84) 7.86,76.81 7.81,76.81 arc(7.73,76.78) 7.7,76.71 7.7,68.97 8.4,68.27 19.93,68.27 20.57,67.63 20.88,67.63 21.07,67.82 v1(21.07,68.06)
  In7.Cu w0.1: 33.41,69.14 33.45,69.1 43.13,69.1 43.63,69.6 48.16,69.6 48.4,69.84 48.4,70.6 v1(48,71)
  In7.Cu w0.114: v1(21.07,68.06) 21.31,68.06 22.39,69.14 22.76,69.14 arc(22.88,69.2) 22.94,69.32 22.94,69.75 arc(23.08,70.09) 23.41,70.22 arc(23.74,70.09) 23.88,69.75 23.88,69.32 arc(23.93,69.2) 24.06,69.14 arc(24.18,69.2) 24.24,69.32 24.24,69.75 arc(24.38,70.09) 24.71,70.22 arc(25.04,70.09) 25.18,69.75 25.18,69.32 arc(25.23,69.2) 25.36,69.14 arc(25.48,69.2) 25.54,69.32 25.54,69.75 arc(25.68,70.09) 26.01,70.22 arc(26.34,70.09) 26.48,69.75 26.48,69.32 arc(26.53,69.2) 26.66,69.14 arc(26.78,69.2) 26.84,69.32 26.84,69.75 arc(26.98,70.09) 27.31,70.22 arc(27.64,70.09) 27.78,69.75 27.78,69.32 arc(27.83,69.2) 27.96,69.14 arc(28.08,69.2) 28.14,69.32 28.14,69.75 arc(28.28,70.09) 28.61,70.22 arc(28.94,70.09) 29.08,69.75 29.08,69.32 arc(29.13,69.2) 29.26,69.14 arc(29.38,69.2) 29.44,69.32 29.44,69.75 arc(29.58,70.09) 29.91,70.22 arc(30.24,70.09) 30.38,69.75 30.38,69.32 arc(30.43,69.2) 30.56,69.14 arc(30.68,69.2) 30.74,69.32 30.74,69.75 arc(30.88,70.09) 31.21,70.22 arc(31.54,70.09) 31.68,69.75 31.68,69.32 arc(31.73,69.2) 31.86,69.14 arc(31.98,69.2) 32.04,69.32 32.04,69.75 arc(32.18,70.09) 32.51,70.22 arc(32.84,70.09) 32.98,69.75 32.98,69.32 arc(33.03,69.2) 33.16,69.14 33.41,69.14
/FMC+ HSPC/FMC.IO21_N: length 66.3
  Top w0.16: v1(6.92,96.42) 6.78,96.57 6.61,96.57 6.29,96.25 6.29,96.06
  Top w0.256: v1(48.01,73.02) 48.01,72.99 U1.C14
  In5.Cu w0.1: 48,73 48.4,72.6 50.31,72.6 50.45,72.74 50.45,76.55 50.41,76.59
  In5.Cu w0.114: v1(6.92,96.42) 7.05,96.56 7.54,96.56 arc(7.7,96.49) 7.76,96.33 7.76,96.24 arc(7.83,96.08) 7.99,96.01 arc(8.15,96.08) 8.21,96.24 8.21,96.33 arc(8.28,96.49) 8.44,96.56 8.96,96.56 9.6,97.2 17.8,97.2 19.06,98.46 30.44,98.46 31.7,97.2 arc(32.05,97.05) 32.4,97.2 32.61,97.41 arc(32.75,97.47) 32.9,97.41 arc(32.96,97.26) 32.9,97.12 32.69,96.91 arc(32.54,96.56) 32.69,96.21 arc(33.04,96.06) 33.39,96.21 33.6,96.42 arc(33.74,96.48) 33.89,96.42 arc(33.95,96.27) 33.89,96.13 33.68,95.92 arc(33.53,95.57) 33.68,95.22 50.41,78.49 50.41,76.59
